# Altium PCB PCB1.PcbDoc (part 1 of 2)
Units mm, origin at the board's own origin, x right, y up, seen from the top; angles counter-clockwise.
Board outline 85 x 54.47 mm, 4 copper layers (Component Side, Ground Plane, Power Plane, Solder Side), stack 0.683 mm thick; 117 components, 155 nets, 594 pads, 283 vias.
Unrouted connection lines stored in the file: 1.
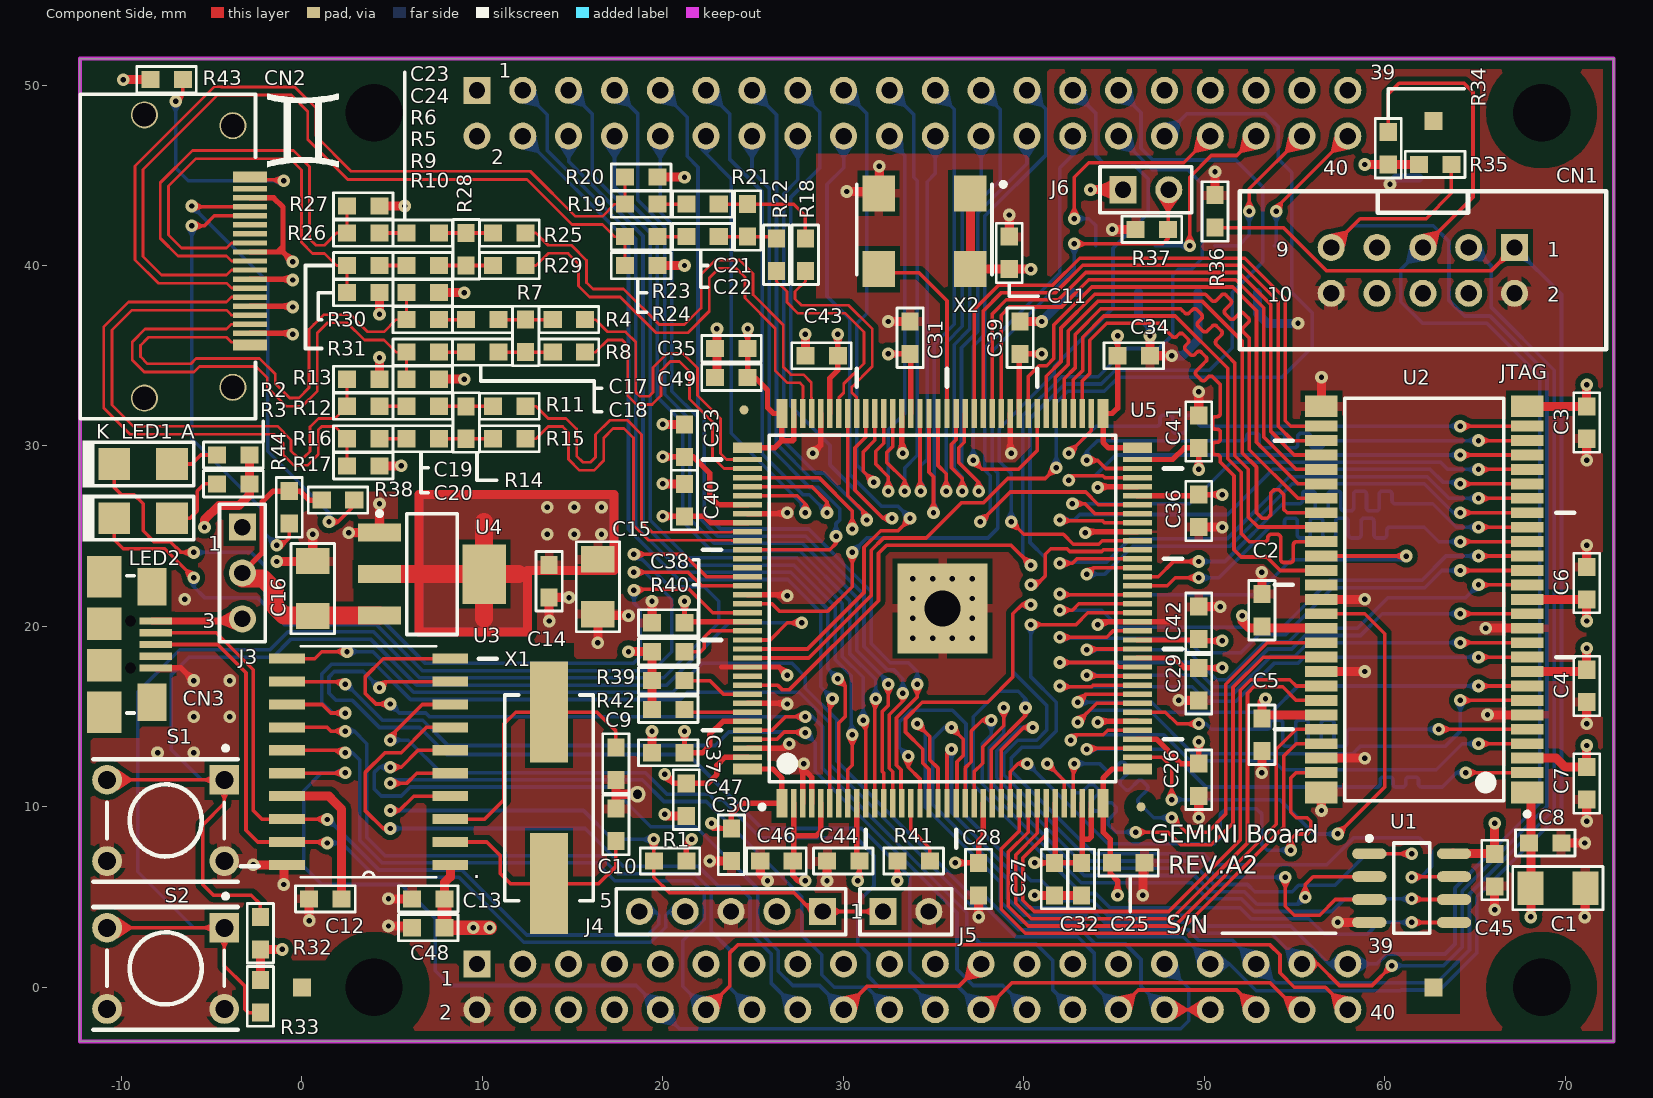
[diagram p0: Component Side view]
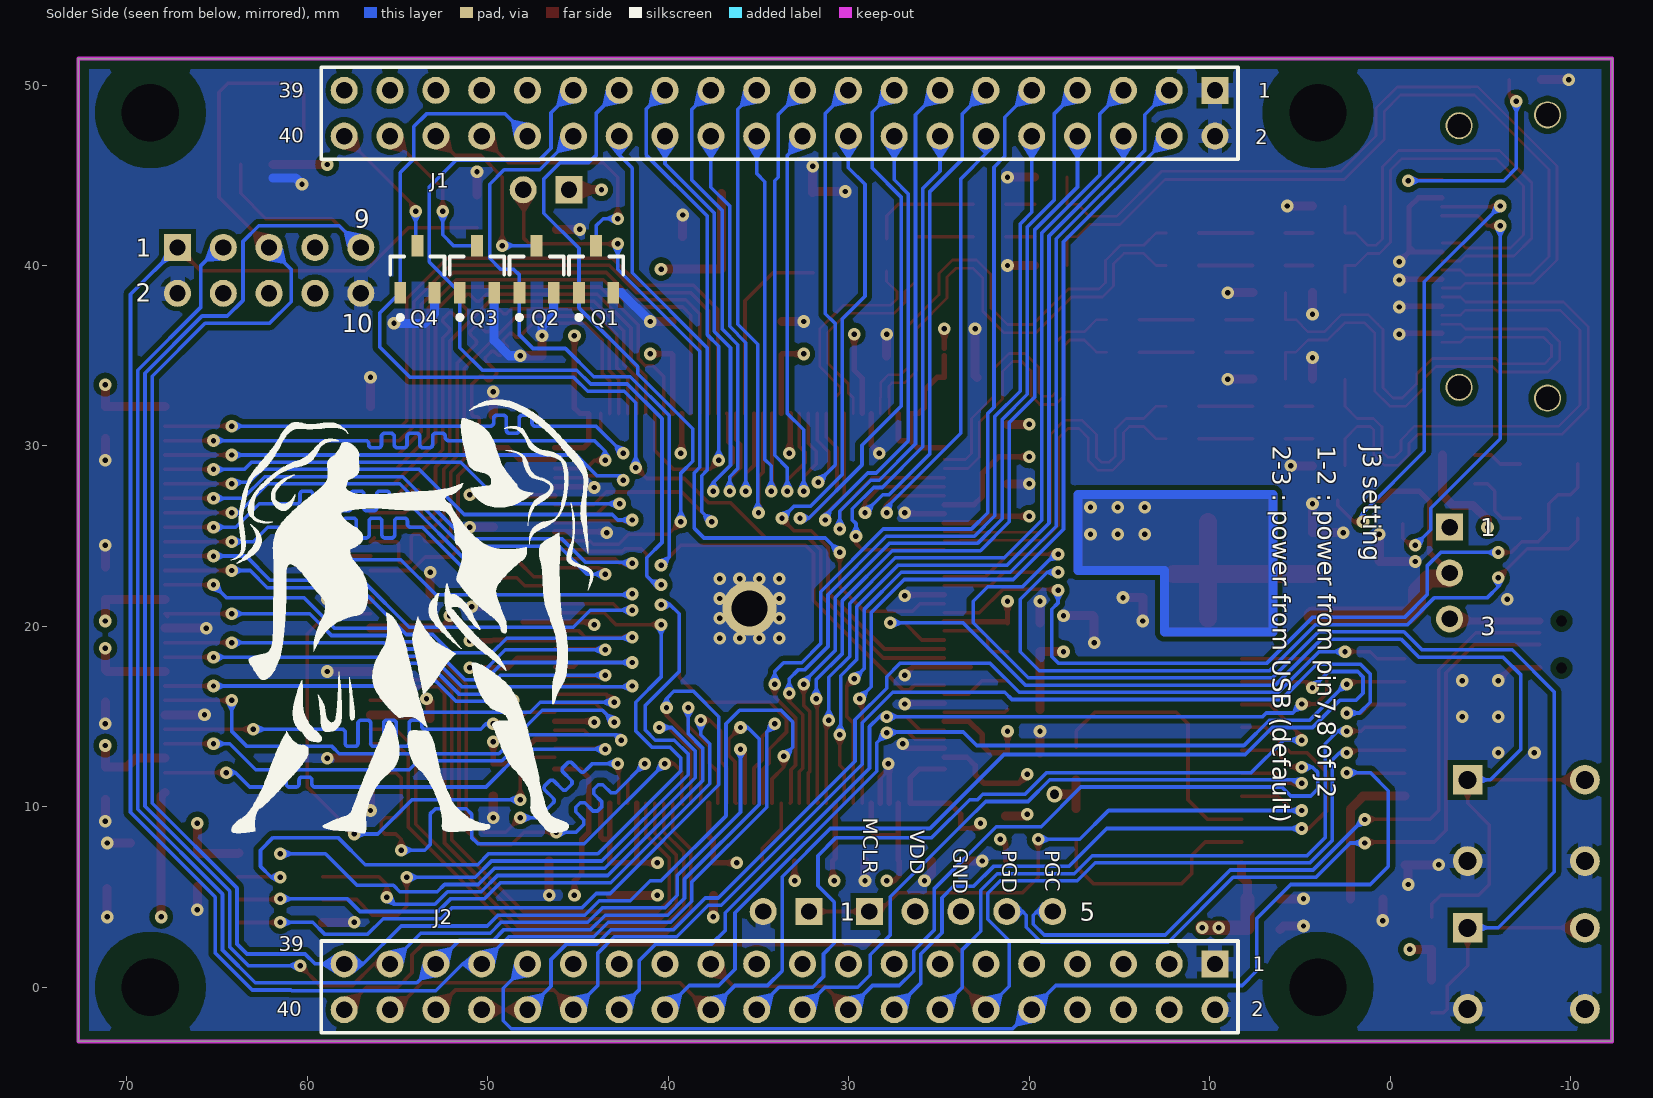
[diagram p1: Solder Side view, seen from below]
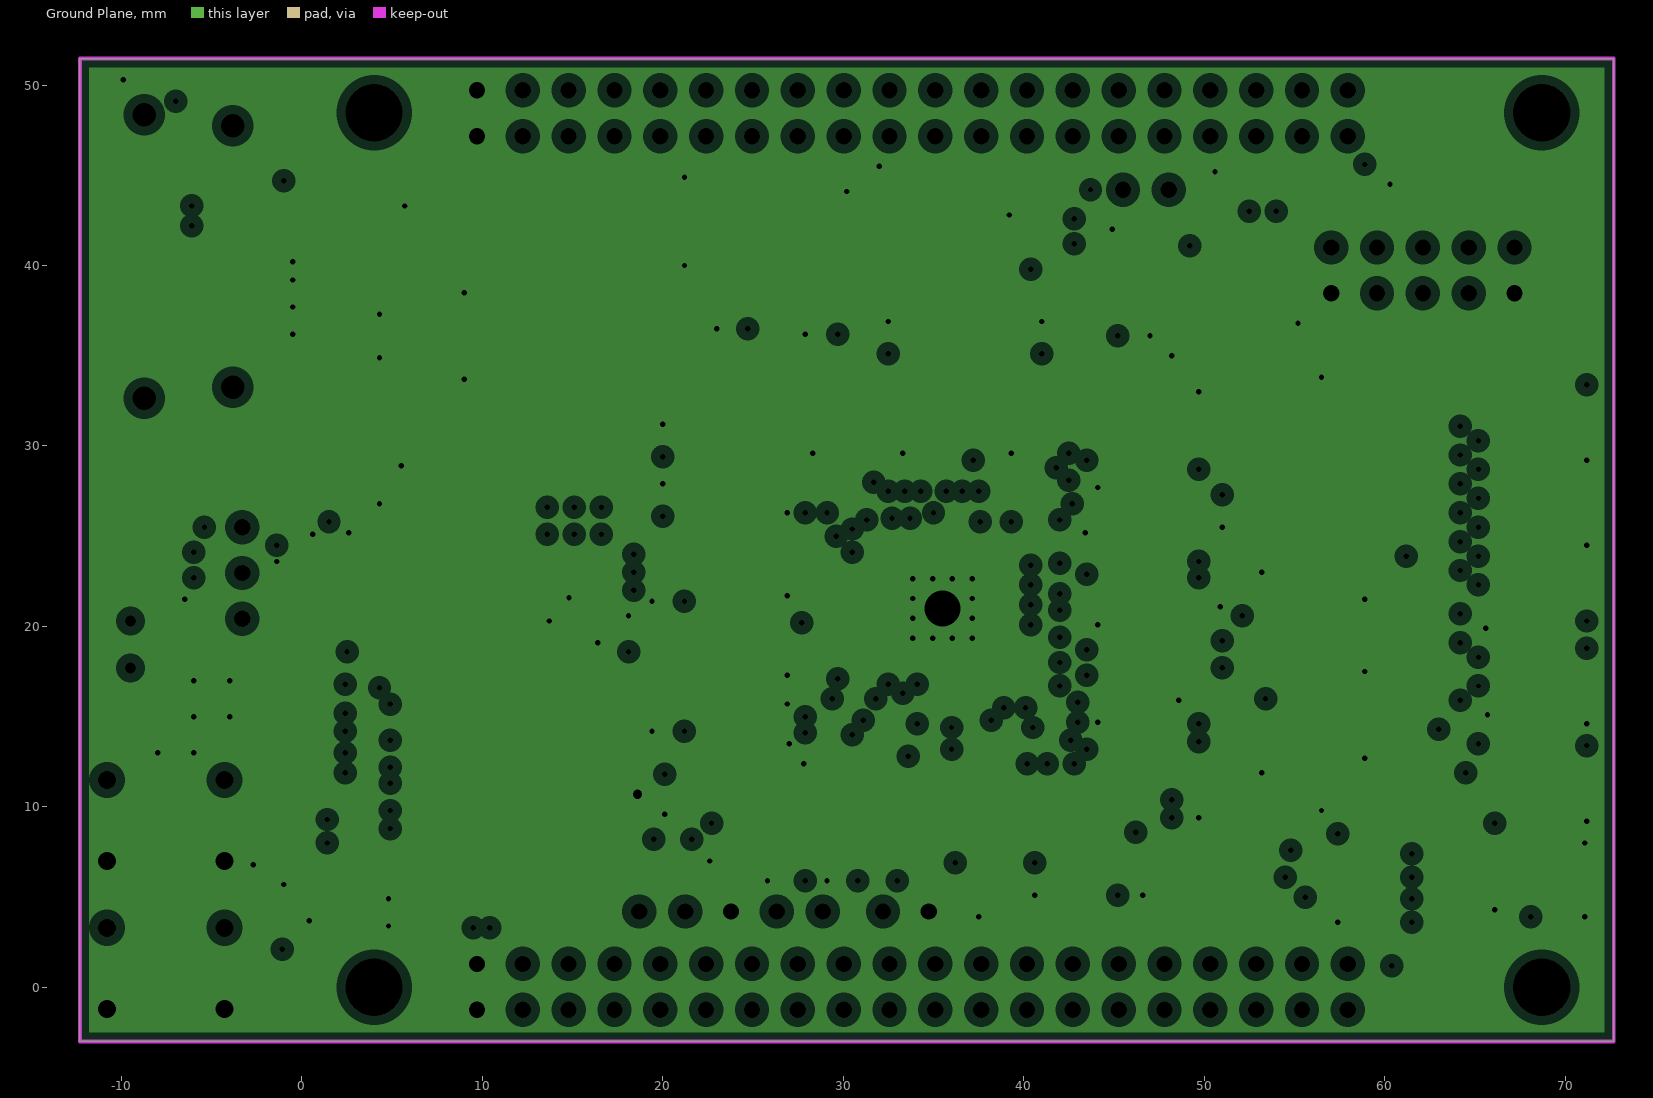
[diagram p2: Ground Plane, clearances drawn from the general rule]
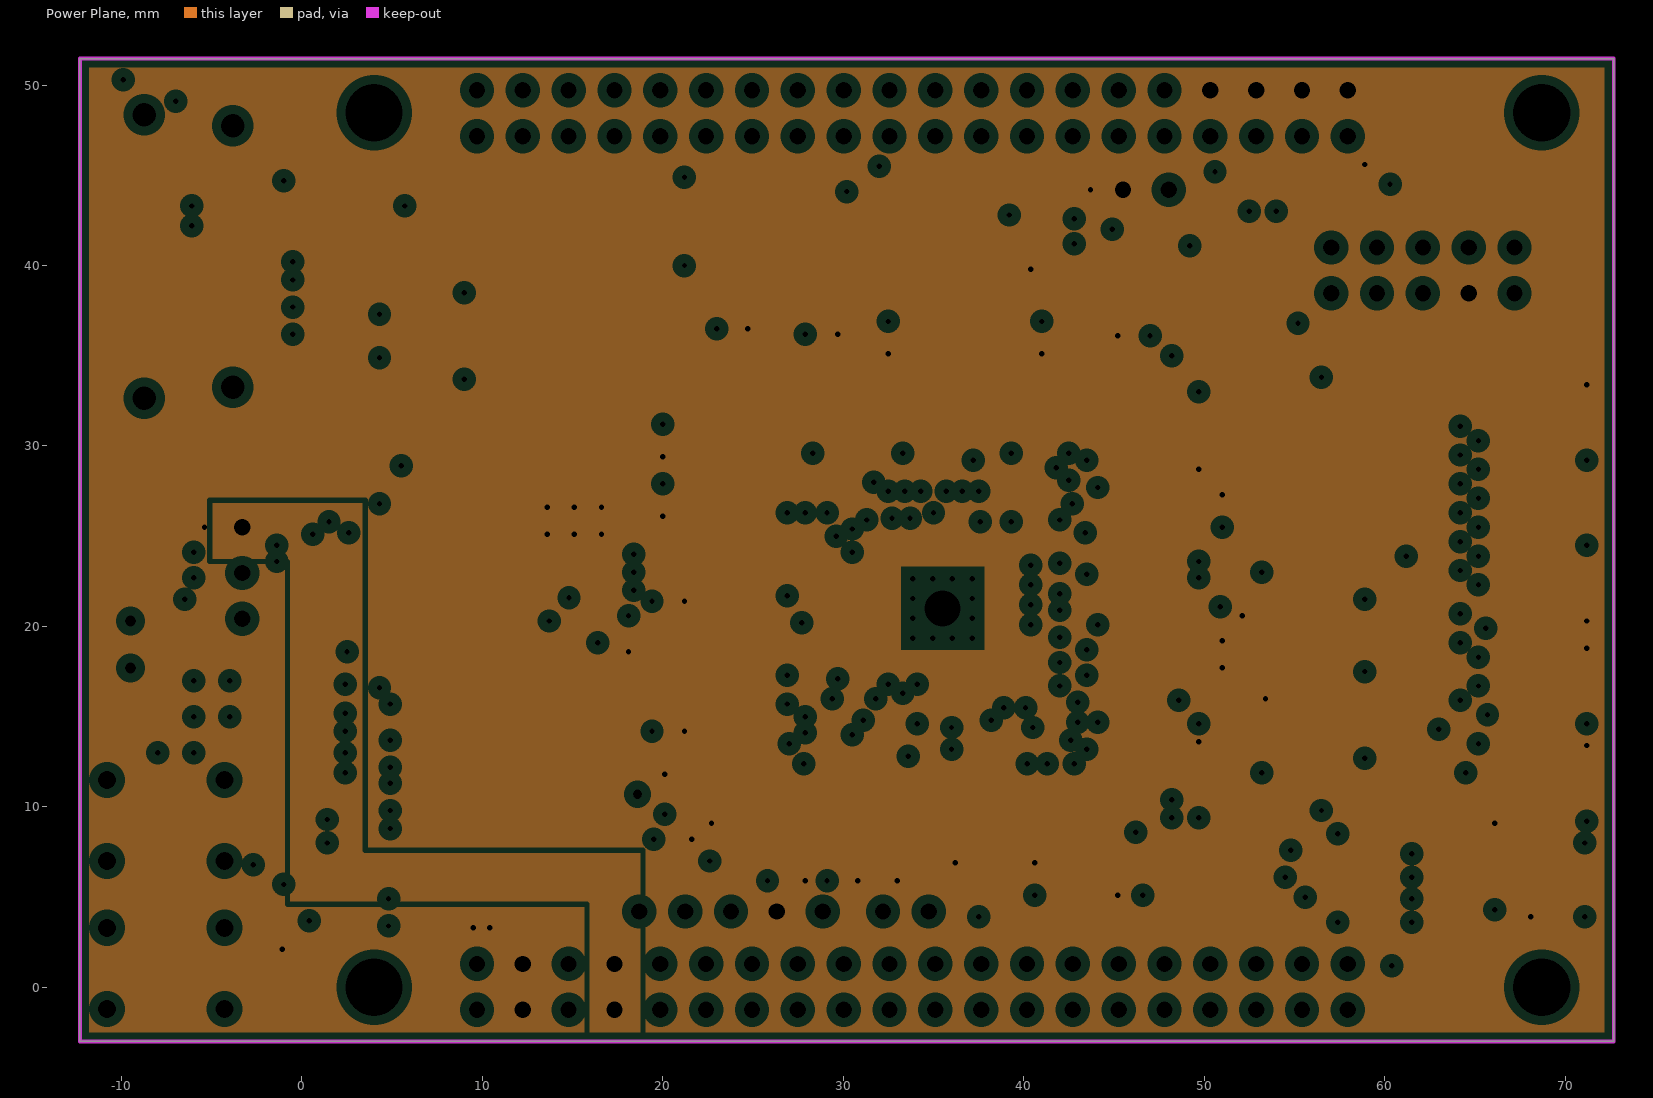
[diagram p3: Power Plane, clearances drawn from the general rule]

## Layer stack, top to bottom
Top Solder: solder mask 0.0102, Solder Resist, Dk 3.5
Component Side: signal copper 0.03
Dielectric 1: core 0.2, FR-4, Dk 4.58
Ground Plane: plane copper 0.018, net GND
Dielectric 3: prepreg 0.127, FR-4, Dk 4.2
Power Plane: plane copper 0.018, net (Multiple Nets)
Dielectric 4: core 0.254, FR-4, Dk 4.2
Solder Side: signal copper 0.0356
Bottom Solder: solder mask 0.0102, Solder Resist, Dk 3.5

## Board outline
-12.3,-3 72.7,-3 72.7,51.47 -12.3,51.47

## Design rules (kind name [scope] priority, off if disabled: settings)
Clearance ClearanceKeepout [All vs OnLayer('Keep-Out Layer')] p1: gap=0.5
Clearance ClearanceFIDUCIAL [HasPad('*-FIDUCIAL')] p2: gap=0.7
Clearance ClearanceNPTH [HasPad('Free-NPTH')] p3: gap=1.5
Clearance [All] p4: gap=0.2 except(0.3: Poly-Poly SMDPad-Poly Poly-Region Track-Poly Via-Poly Arc-Poly THPad-Poly Fill-Poly)
DiffPairsRouting [All] p1: maxlimit=0.4 minlimit=0.2 mostfreqgap=0.3 toplayer_minwidth=0.15 toplayer_maxwidth=0.3 toplayer_prefwidth=0.15 bottomlayer_minwidth=0.15 bottomlayer_maxwidth=0.3 bottomlayer_prefwidth=0.15 maxuncoupledlength=12.7
HoleSize [All] p1: absolutevalues=TRUE maxlimit=10 minlimit=0.3 maxpercent=80.000 minpercent=20.000
MinimumSolderMaskSliver [All] p1: minsoldermaskwidth=0.1
PlaneClearance PlaneClearanceNPTH [HasPad('Free-NPTH')] p1: clearance=1.5
PlaneClearance [All] p2: clearance=0.5
PlaneConnect PlaneConnectVia [IsVia] p1: planeconnectstyle=Direct reliefexpansion=0.508 reliefentries=4 reliefconductorwidth=0.254 reliefairgap=0.254
PlaneConnect PlaneConnectHole0_1 [HoleDiameter Between 0.1 and 0.3] p2: planeconnectstyle=Direct reliefexpansion=0.508 reliefentries=4 reliefconductorwidth=0.254 reliefairgap=0.254
PlaneConnect PlaneConnectHole0_3 [HoleDiameter Between 0.3 and 0.5] p3: planeconnectstyle=Relief reliefexpansion=0.508 reliefentries=4 reliefconductorwidth=0.4 reliefairgap=0.254
PlaneConnect PlaneConnectHole0_5 [HoleDiameter Between 0.5 and 0.8] p4: planeconnectstyle=Relief reliefexpansion=0.508 reliefentries=4 reliefconductorwidth=0.6 reliefairgap=0.254
PlaneConnect PlaneConnectHole0_8 [HoleDiameter Between 0.8 and 1.0] p5: planeconnectstyle=Relief reliefexpansion=0.508 reliefentries=4 reliefconductorwidth=0.8 reliefairgap=0.254
PlaneConnect PlaneConnectHole1_0 [HoleDiameter > 1.0] p6: planeconnectstyle=Relief reliefexpansion=0.508 reliefentries=4 reliefconductorwidth=1 reliefairgap=0.254
PlaneConnect [All] p7: planeconnectstyle=Relief reliefexpansion=0.508 reliefentries=4 reliefconductorwidth=0.254 reliefairgap=0.254
PolygonConnect PolygonConnectVia [All vs IsVia] p1: connectstyle=Direct reliefconductorwidth=0.254 reliefentries=4 polygonreliefangle="90 Angle" airgapwidth=0.254
PolygonConnect PolygonConnectHole0_1 [All vs HoleDiameter Between 0.1 and 0.3] p2: connectstyle=Relief reliefconductorwidth=0.254 reliefentries=4 polygonreliefangle="90 Angle" airgapwidth=0.254
PolygonConnect PolygonConnectHole0_3 [All vs HoleDiameter Between 0.3 and 0.5] p3: connectstyle=Relief reliefconductorwidth=0.4 reliefentries=4 polygonreliefangle="90 Angle" airgapwidth=0.254
PolygonConnect PolygonConnectHole0_5 [All vs HoleDiameter Between 0.5 and 0.8] p4: connectstyle=Relief reliefconductorwidth=0.6 reliefentries=4 polygonreliefangle="90 Angle" airgapwidth=0.254
PolygonConnect PolygonConnectHole0_8 [All vs HoleDiameter Between 0.8 and 1.0] p5: connectstyle=Relief reliefconductorwidth=0.8 reliefentries=4 polygonreliefangle="90 Angle" airgapwidth=0.254
PolygonConnect PolygonConnectHole1_0 [HoleDiameter > 1.0] p6: connectstyle=Relief reliefconductorwidth=1 reliefentries=4 polygonreliefangle="90 Angle" airgapwidth=0.254
PolygonConnect [All] p7: connectstyle=Relief reliefconductorwidth=0.5 reliefentries=4 polygonreliefangle="90 Angle" airgapwidth=0.254
RoutingVias [All] p1: holewidth=0.3 width=0.6 viastyle="Through Hole" minholewidth=0.3 minwidth=0.7 maxholewidth=0.5 maxwidth=1
SilkToSilkClearance [All] p1: silktosilkclearance=0.05
SilkToSolderMaskClearance [IsPad] p1: minsilkscreentomaskgap=0.1 clearancetoexposedcopper=TRUE
SolderMaskExpansion SolderMaskExpansionVia [IsVia] p1: expansion=-0.18
SolderMaskExpansion [All] p2: expansion=0.1
UnpouredPolygon [All] p1: allowunpoured=FALSE
Width WidthPWR [InNetClass('PWR')] p1: maxlimit=2 minlimit=0.3 preferedwidth=0.5 minimp=50.000000 maximp=50.000000 favimp=50.000000
Width Width_all [All] p2: maxlimit=2 minlimit=0.2 preferedwidth=0.2 minimp=50.000000 maximp=50.000000 favimp=50.000000
22 further rules are at their usual default settings.

## Classes and differential pairs
net class GPIO[0..30]: GPIO0 GPIO1 GPIO2 GPIO3 GPIO4 GPIO5 GPIO6 GPIO7 GPIO8 GPIO9 GPIO10 GPIO11 GPIO12 GPIO13 GPIO14 GPIO15 GPIO16 GPIO17 GPIO18 GPIO19 GPIO20 GPIO21 GPIO22 GPIO23 GPIO24 GPIO25 GPIO26 GPIO27 GPIO28
net class SDRAM_DQ[0..15]: SDRAM_DQ0 SDRAM_DQ1 SDRAM_DQ2 SDRAM_DQ3 SDRAM_DQ4 SDRAM_DQ5 SDRAM_DQ6 SDRAM_DQ7 SDRAM_DQ8 SDRAM_DQ9 SDRAM_DQ10 SDRAM_DQ11 SDRAM_DQ12 SDRAM_DQ13 SDRAM_DQ14 SDRAM_DQ15
net class SDRAM_A[0..12]: SDRAM_A0 SDRAM_A1 SDRAM_A2 SDRAM_A3 SDRAM_A4 SDRAM_A5 SDRAM_A6 SDRAM_A7 SDRAM_A8 SDRAM_A9 SDRAM_A10 SDRAM_A11 SDRAM_A12
component class Sheet2: C1 C2 C3 C4 C5 C6 C7 C8 C11 C25 C26 C27 C28 C29 C30 C31 C32 C33 C34 C35 C36 C37 C38 C39 C40 C41 C42 C43 C44 C45 C46 C47 C49 CN1 J6 R34 R35 R36 R37 R39 R40 R41 R42 U1 U2 U5 X2
component class Sheet1: C9 C10 C12 C13 C14 C15 C16 C48 CN3 J3 J4 J5 R1 U3 U4 X1
component class Sheet3: C17 C18 C19 C20 C21 C22 C23 C24 CN2 J1 J2 LED1 LED2 Q1 Q2 Q3 Q4 R2 R3 R4 R5 R6 R7 R8 R9 R10 R11 R12 R13 R14 R15 R16 R17 R18 R19 R20 R21 R22 R23 R24 R25 R26 R27 R28 R29 R30 R31 R32 R33 R38 R43 R44 S1 S2
differential pair DVI_D0: +DVI_D0_P -DVI_D0_N
differential pair DVI_D2: +DVI_D2_P -DVI_D2_N
differential pair HDMI_D0: +HDMI_D0_P -HDMI_D0_N
differential pair HDMI_CLK: +HDMI_CLK_P -HDMI_CLK_N
differential pair HDMI_D2: +HDMI_D2_P -HDMI_D2_N
differential pair HDMI_D1: +HDMI_D1_P -HDMI_D1_N
differential pair DVI_CLK: +DVI_CLK_P -DVI_CLK_N
differential pair DVI_D1: +DVI_D1_P -DVI_D1_N
differential pair PIC_D: +PIC_D_P -PIC_D_N

## Components (designator, comment, footprint, x,y, rotation, side; value= is the part's Value field where it differs from the comment)
C1 "MC1206F226Z100CT" CHIP3216 69.6,5.5 r180 top
C2 "MC0603B104M160CT" CHIP1608 53.2,20.9 r270 top
C3 "MC0603B104M160CT" CHIP1608 71.2,31.3 r90 top
C4 "MC0603B104M160CT" CHIP1608 71.2,16.7 r90 top
C5 "MC0603B104M160CT" CHIP1608 53.2,14 r90 top
C6 "MC0603B104M160CT" CHIP1608 71.2,22.4 r270 top
C7 "MC0603B104M160CT" CHIP1608 71.2,11.3 r90 top
C8 "MC0603B104M160CT" CHIP1608 68.9,8 r180 top
C9 "06035A220JAT2A" CHIP1608 17.4,12.4 r90 top
C10 "06035A220JAT2A" CHIP1608 17.4,9 r270 top
C11 "MC0603B104M160CT" CHIP1608 39.2,40.7 r270 top
C12 "CC0603ZRY5V7BB224" CHIP1608 1.3,4.9 r0 top
C13 "MC0603B104M160CT" CHIP1608 7,4.9 r0 top
C14 "MC0603B104M160CT" CHIP1608 13.7,22.504 r90 top
C15 "MC1206F226Z100CT" CHIP3216 16.4,22.2 r90 top
C16 "MC1206F226Z100CT" CHIP3216 0.6,22.1 r270 top
C17 "MCWR06X000 PTL" CHIP1608 10,37 r0 top
C18 "MCWR06X000 PTL" CHIP1608 10,35.2 r0 top
C19 "MCWR06X000 PTL" CHIP1608 6.7,32.2 r0 top
C20 "MCWR06X000 PTL" CHIP1608 6.7,30.4 r0 top
C21 "MCWR06X000 PTL" CHIP1608 22.2,43.4 r0 top
C22 "MCWR06X000 PTL" CHIP1608 22.2,41.6 r0 top
C23 "MCWR06X000 PTL" CHIP1608 6.7,41.8 r0 top
C24 "MCWR06X000 PTL" CHIP1608 6.7,40 r0 top
C25 "MC0603B104M160CT" CHIP1608 45.8,6.9 r0 top
C26 "MC0603B104M160CT" CHIP1608 49.7,11.5 r270 top
C27 "MC0603B104M160CT" CHIP1608 41.7,6 r270 top
C28 "MC0603B104M160CT" CHIP1608 37.5,6 r270 top
C29 "MC0603B104M160CT" CHIP1608 49.7,16.8 r270 top
C30 "MC0603B104M160CT" CHIP1608 23.8,7.9 r270 top
C31 "MC0603B104M160CT" CHIP1608 33.7,36 r90 top
C32 "MC0603B104M160CT" CHIP1608 43.2,6 r270 top
C33 "MC0603B104M160CT" CHIP1608 21.2,30.3 r90 top
C34 "MC0603B104M160CT" CHIP1608 46.1,35 r0 top
C35 "MC0603B104M160CT" CHIP1608 23.8,35.4 r180 top
C36 "MC0603B104M160CT" CHIP1608 49.7,26.4 r270 top
C37 "MC0603B104M160CT" CHIP1608 20.3,13 r180 top
C38 "MC0603B104M160CT" CHIP1608 20.3,20.2 r180 top
C39 "MC0603B104M160CT" CHIP1608 39.8,36 r90 top
C40 "MC0603B104M160CT" CHIP1608 21.2,27 r90 top
C41 "MC0603B104M160CT" CHIP1608 49.7,30.8 r90 top
C42 "MC0603B104M160CT" CHIP1608 49.7,20.2 r90 top
C43 "MC0603B104M160CT" CHIP1608 28.8,35 r180 top
C44 "MC0603B104M160CT" CHIP1608 30,7 r180 top
C45 "MC0603B104M160CT" CHIP1608 66.1,6.5 r90 top
C46 "MC0603B104M160CT" CHIP1608 26.3,7 r180 top
C47 "MC0603B104M160CT" CHIP1608 21.3,10.4 r270 top
C48 "XXX" CHIP1608 7,3.3 r0 top
C49 "MC0603B104M160CT" CHIP1608 23.8,33.8 r180 top
CN1 "SCP10GS31/RH" SCP10GS31/RH 67.2,41 r180 top locked
CN2 "10029449-001RLF" 10029449-001RLF -5.8,40.5 r270 top
CN3 "MRUMRB05FTKTY-30U" MRUMRB05FTKTY-30U -8.3,19 r270 top
J1 "PHDS80G11" HDR2X20-Gemini 9.7,49.71 r0 bottom
J2 "x" HDR2X20-Gemini 9.7,1.3 r0 bottom
J3 "PHSS03G10" HDR1X3 -3.3,25.5 r270 top
J4 "PHSS05G10" HDR1X5 28.86,4.2 r180 top locked
J5 "PHSS02G10" HDR1X2 32.2,4.2 r0 top locked
J6 "PHSS02G10" HDR1X2 45.5,44.2 r0 top
LED1 "TO-3216BC-MAE" LED3216 -8.8,29 r180 top
LED2 "TO-3216BC-MAE" LED3216 -8.8,26 r180 top
Q1 "BC817" SOT-23 44,39.8 r90 bottom
Q2 "BC817" SOT-23 47.3,39.8 r90 bottom
Q3 "BC817" SOT-23 50.6,39.8 r90 bottom
Q4 "BC817" SOT-23 53.9,39.8 r90 bottom
R1 "MCMR06X1001FTL" CHIP1608 20.4,7 r180 top
R2 "MCMR06X1001FTL" CHIP1608 -3.8,29.5 r180 top
R3 "MCMR06X1001FTL" CHIP1608 -3.8,27.9 r180 top
R4 "MC0063W06031270R" CHIP1608 14.8,37 r180 top
R5 "MCWR06X000 PTL" CHIP1608 6.7,37 r180 top
R6 "MCMR06X1001FTL" CHIP1608 6.7,38.5 r180 top
R7 "MCMR06X1001FTL" CHIP1608 12.4,36.1 r90 top
R8 "MC0063W06031270R" CHIP1608 14.8,35.2 r180 top
R9 "MCWR06X000 PTL" CHIP1608 6.7,35.2 r180 top
R10 "MCMR06X1001FTL" CHIP1608 6.7,33.7 r180 top
R11 "MC0063W06031270R" CHIP1608 11.5,32.2 r180 top
R12 "MCWR06X000 PTL" CHIP1608 3.4,32.2 r180 top
R13 "MCMR06X1001FTL" CHIP1608 3.4,33.7 r180 top
R14 "MCMR06X1001FTL" CHIP1608 9.1,31.3 r90 top
R15 "MC0063W06031270R" CHIP1608 11.5,30.4 r180 top
R16 "MCWR06X000 PTL" CHIP1608 3.4,30.4 r180 top
R17 "MCMR06X1001FTL" CHIP1608 3.4,28.9 r180 top
R18 "MC0063W06031270R" CHIP1608 27.9,40.6 r90 top
R19 "MCWR06X000 PTL" CHIP1608 18.8,43.4 r180 top
R20 "MCMR06X1001FTL" CHIP1608 18.8,44.9 r180 top
R21 "MCMR06X1001FTL" CHIP1608 24.7,42.5 r90 top
R22 "MC0063W06031270R" CHIP1608 26.3,40.6 r90 top
R23 "MCWR06X000 PTL" CHIP1608 18.8,41.6 r180 top
R24 "MCMR06X1001FTL" CHIP1608 18.8,40 r180 top
R25 "MC0063W06031270R" CHIP1608 11.5,41.8 r180 top
R26 "MCWR06X000 PTL" CHIP1608 3.4,41.8 r180 top
R27 "MCMR06X1001FTL" CHIP1608 3.4,43.3 r180 top
R28 "MCMR06X1001FTL" CHIP1608 9.1,40.9 r90 top
R29 "MC0063W06031270R" CHIP1608 11.5,40 r180 top
R30 "MCWR06X000 PTL" CHIP1608 3.4,40 r180 top
R31 "MCMR06X1001FTL" CHIP1608 3.4,38.5 r180 top
R32 "MCWR06X1002FTL" CHIP1608 -2.3,3 r90 top
R33 "MCWR06X1002FTL" CHIP1608 -2.3,-0.5 r270 top
R34 "MCMR06X1001FTL" CHIP1608 60.2,46.5 r90 top
R35 "MCMR06X1001FTL" CHIP1608 62.8,45.6 r0 top
R36 "MCMR06X1001FTL" CHIP1608 50.6,43 r90 top
R37 "MCWR06X1002FTL" CHIP1608 47.1,42 r180 top
R38 "MCWR06X1002FTL" CHIP1608 2,27 r0 top
R39 "MCWR06X1002FTL" CHIP1608 20.3,17 r0 top
R40 "MCWR06X1002FTL" CHIP1608 20.3,18.6 r0 top
R41 "MCWR06X1002FTL" CHIP1608 33.9,7 r0 top
R42 "MCWR06X1002FTL" CHIP1608 20.3,15.4 r0 top
R43 "MCWR06X1002FTL" CHIP1608 -7.5,50.3 r180 top
R44 "MCWR06X1002FTL" CHIP1608 -0.7,26.6 r270 top
S1 "TC-0103-X-ROHS" "TACK_SW 6x6mm" -4.3,11.5 r180 top
S2 "TC-0103-X-ROHS" "TACK_SW 6x6mm" -4.3,3.3 r180 top
U1 "M25P80-VMN6TG" SOIC8_L 61.5,5.5 r0 top
U2 "H57V2562GTR-60C (16Mx16)" TSOP2-54_M 62.2,21.5 r180 top locked
U3 "PIC18F14K50-I/SO" PIC18F14K50-SO 3.7,12.5 r180 top locked
U4 "LD1117AS33TR" SOT-223_N 7.2,22.9 r0 top
U5 "10M04SCE144C8G" TEST2 35.5,21 r90 top locked
X1 "SMD49S-12M1630F" ABLS-25.000MHZ-B2F-T 13.7,10.5 r90 top
X2 "CWX823-050.0M" CWX823-50.0M 34.5,41.9 r180 top
